# Altium PCB core.PcbDoc (part 1 of 4)
Units mil, origin at the board's own origin, x right, y up, seen from the top; angles counter-clockwise.
Board outline 2844.68 x 1781.68 mil, 4 copper layers (Top Layer 1, Signal Layer 1, Signal Layer 2, Bottom Layer 1), stack 23.756 mil thick; 133 components, 210 nets, 844 pads, 433 vias.
Unrouted connection lines stored in the file: 3.
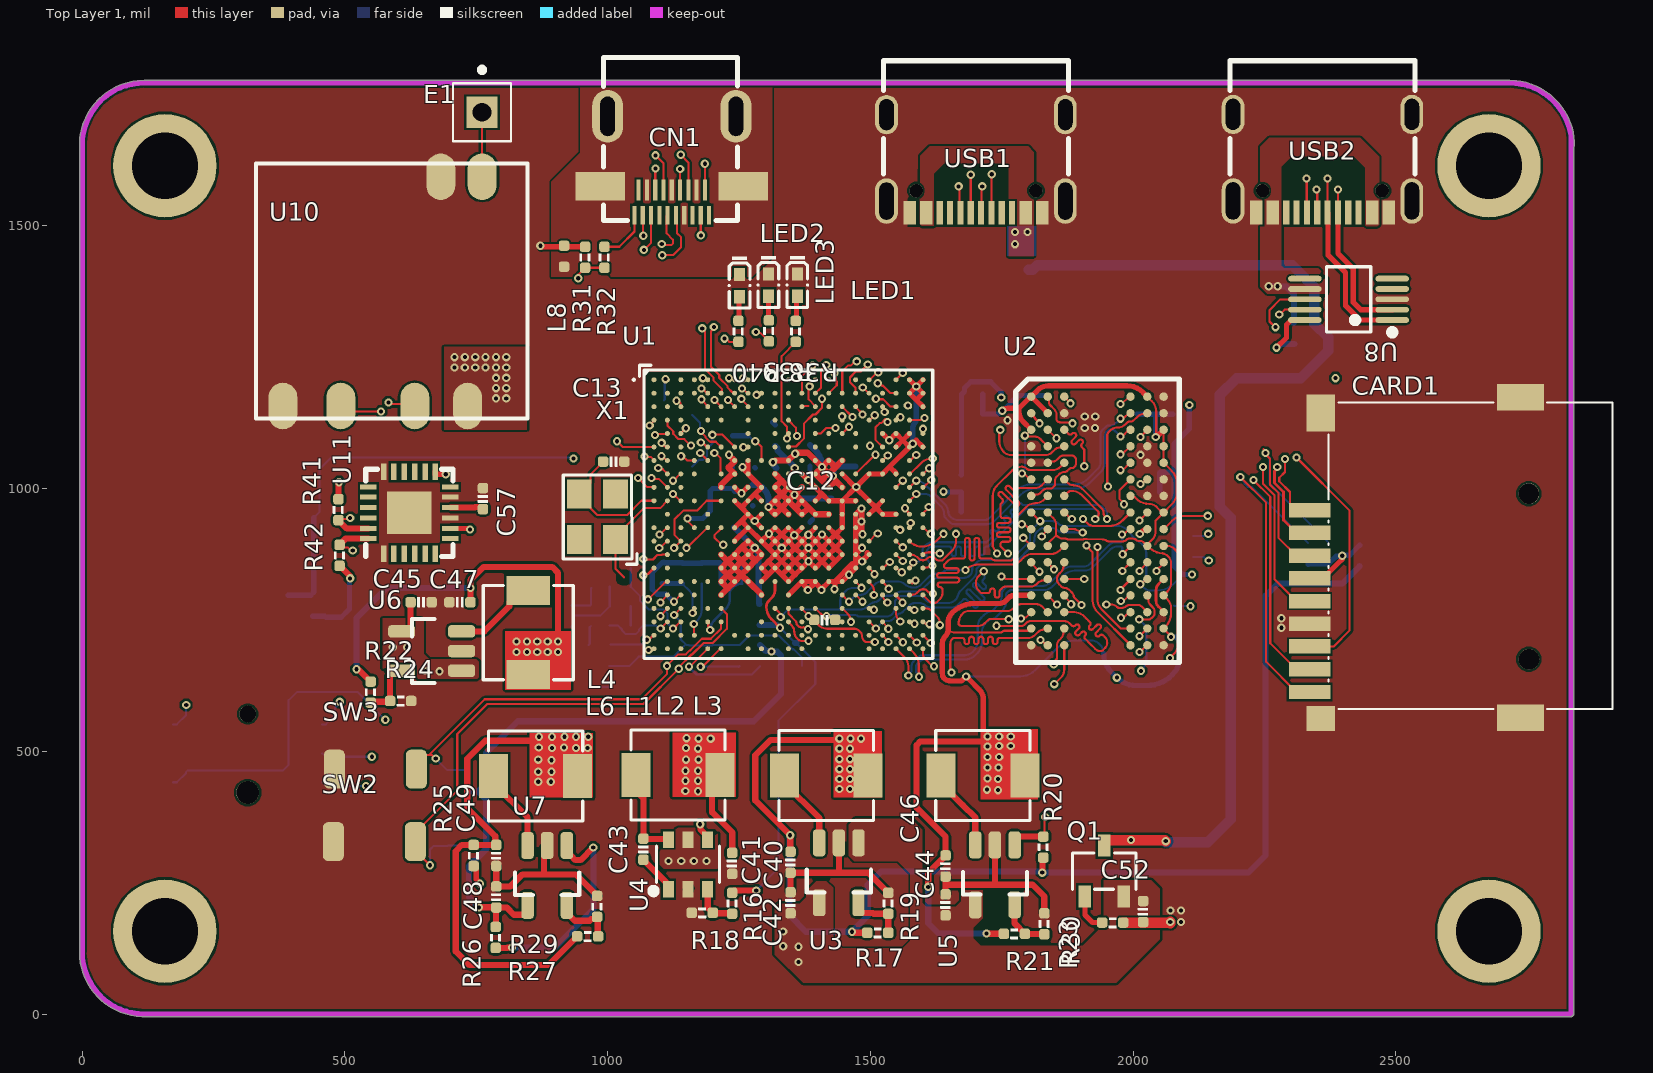
[diagram p0: Top Layer 1 view]
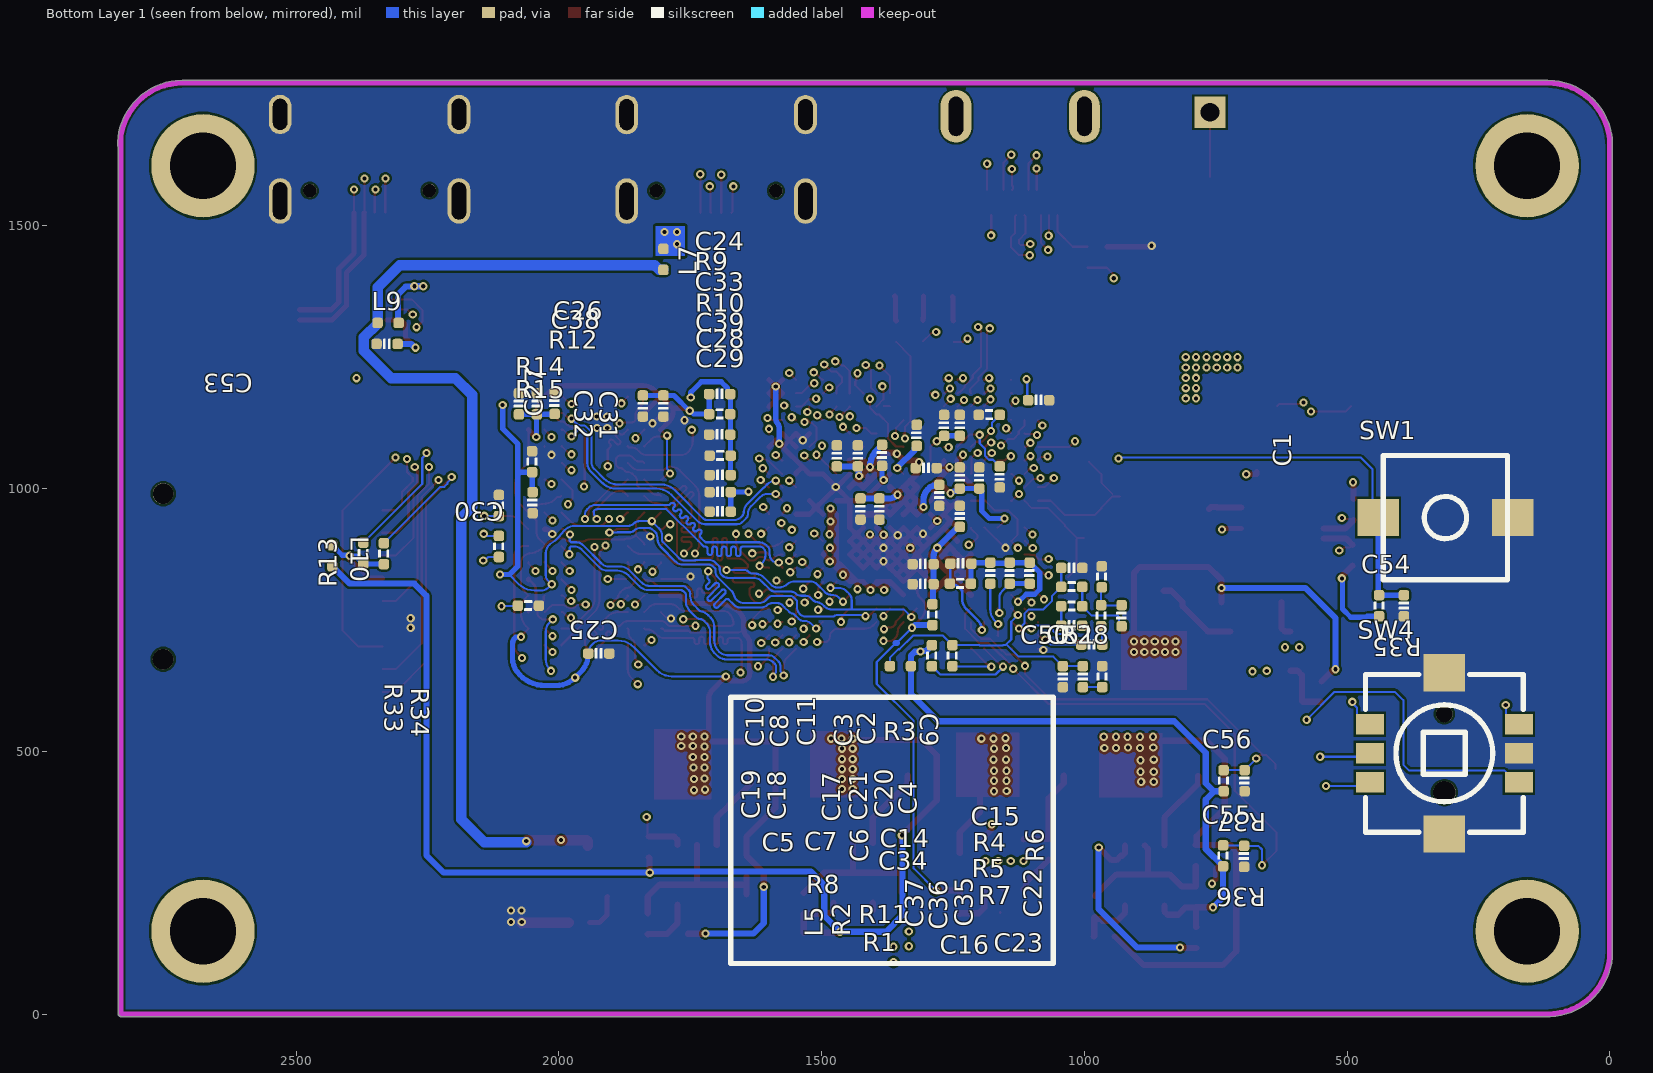
[diagram p1: Bottom Layer 1 view, seen from below]
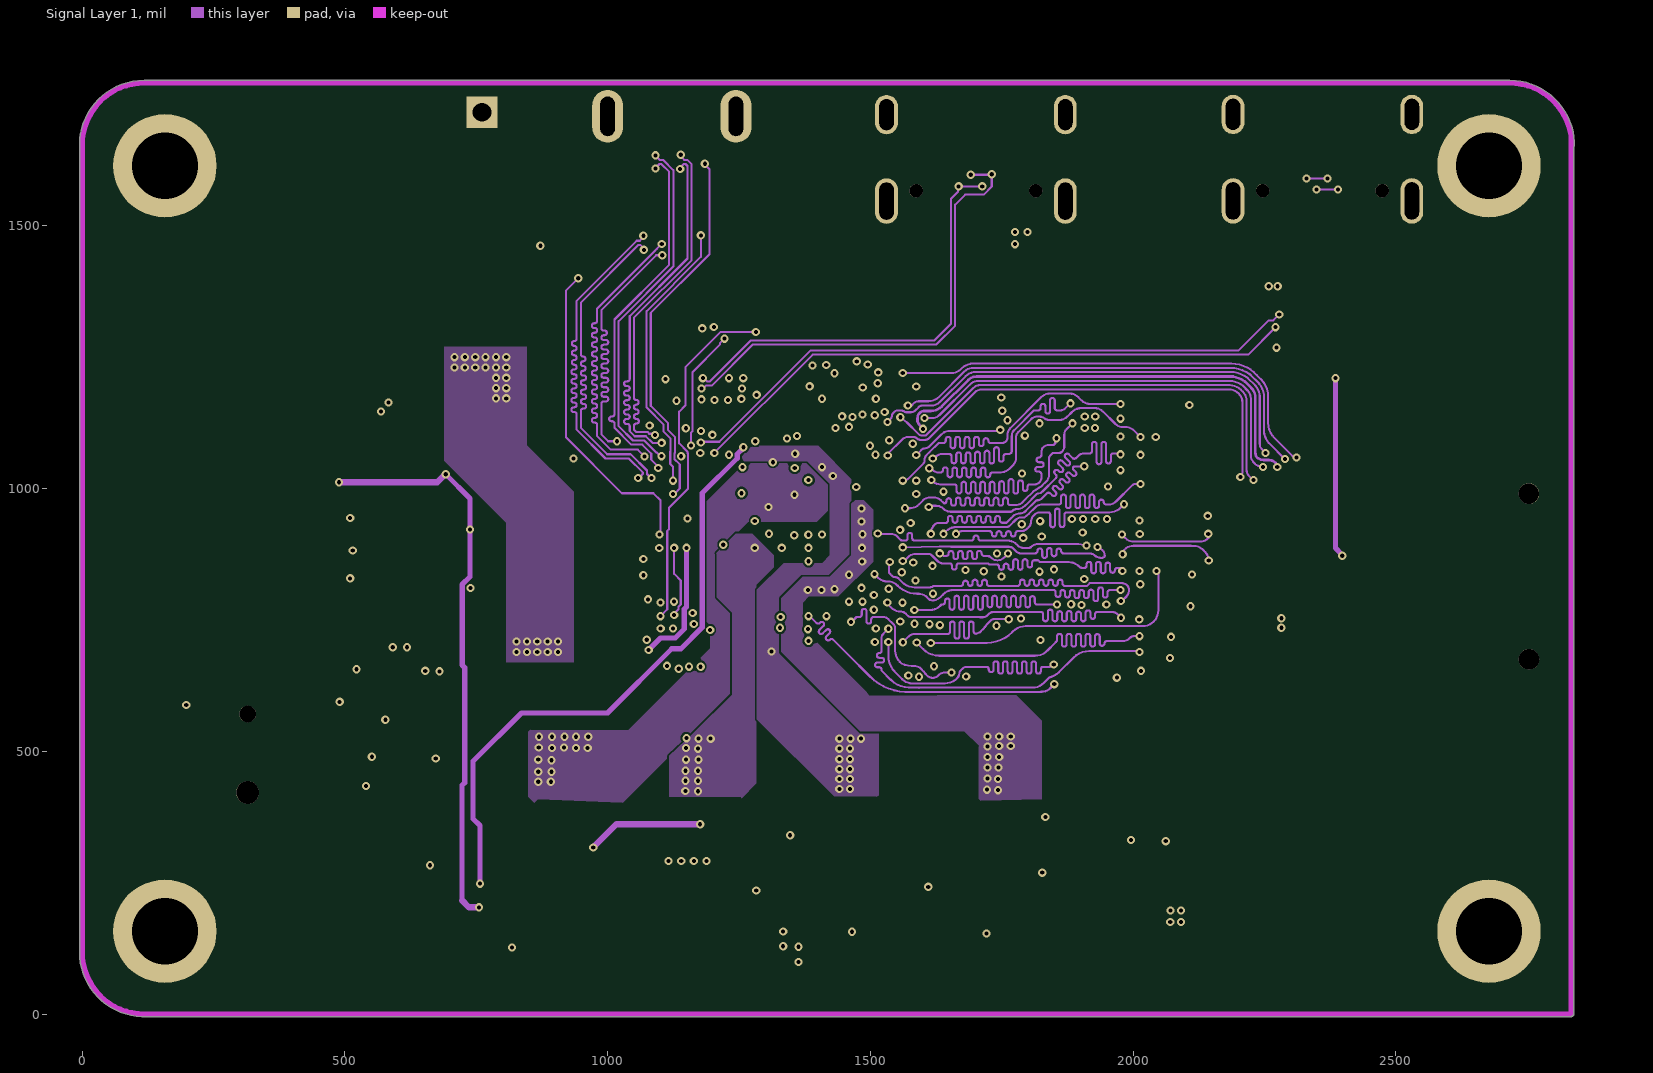
[diagram p2: Signal Layer 1]
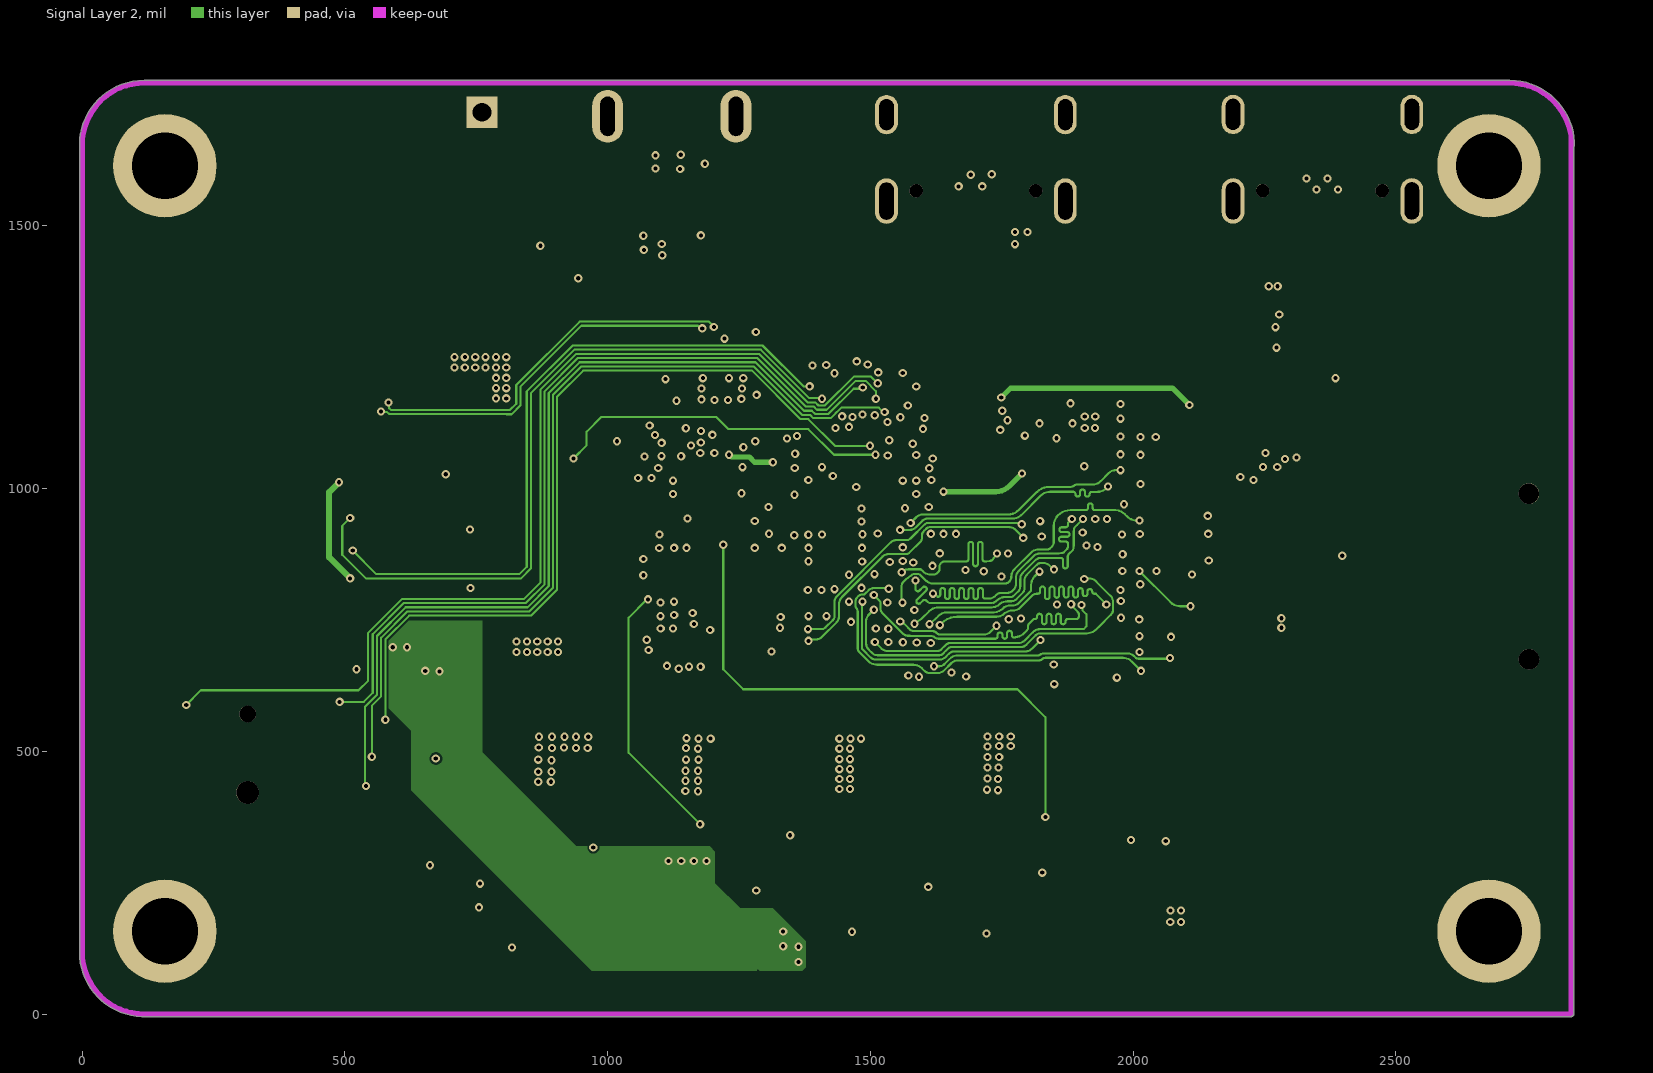
[diagram p3: Signal Layer 2]

## Layer stack, top to bottom
Top Solder: solder mask 0.4, Solder Resist, Dk 3.5
Top Layer 1: signal copper 1.378
Dielectric 2: prepreg 2.8, PP-006, Dk 4.1
Signal Layer 1: signal copper 1.4
Dielectric 1: dielectric 12.6, FR-4, Dk 4.8
Signal Layer 2: signal copper 1.4
Dielectric 3: prepreg 2.8, PP-006, Dk 4.1
Bottom Layer 1: signal copper 1.378
Bottom Solder: solder mask 0.4, Solder Resist, Dk 3.5

## Board outline
-5.02,118.11 ccw(c118.11,118.11) 113.79,-4.94 ccw(c118.11,118.11) 118.11,-5.02 ccw(c118.11,0) 118.96,-4.94 2832.88,-4.94 ccw(c2832.88,0.07) 2836.55,-3.35 ccw(c2833.8,0.85) 2838.81,0.85 2838.81,1650.75 ccw(c2834.65,1653.54) 2839.66,1653.54 ccw(c2716.56,1653.55) 2838.78,1668.27 ccw(c2716.54,1653.54) 2716.54,1776.67 ccw(c2716.53,1771.66) 2715.33,1776.52 119.32,1776.52 ccw(c118.11,1771.65) 118.11,1776.67 ccw(c118.11,1653.54) -5.02,1653.6 ccw(c-0.38,1653.55) -5.02,1653.54

## Design rules (kind name [scope] priority, off if disabled: settings)
Clearance [All] p1: gap=4 ignorepadtopadclearanceinfootprint=TRUE except(2: Arc-SMDPad; 3: Arc-THPad Arc-Via Track-Via)
Creepage [All] p1: checkdistance=1
DiffPairsRouting [All] p1: maxlimit=10 minlimit=4 mostfreqgap=4 toplayer_minwidth=4 toplayer_maxwidth=4 toplayer_prefwidth=4 midlayer1_minwidth=4 midlayer1_maxwidth=4 midlayer1_prefwidth=4 midlayer2_minwidth=4 midlayer2_maxwidth=4 midlayer2_prefwidth=4 bottomlayer_minwidth=4 bottomlayer_maxwidth=4 bottomlayer_prefwidth=4 maxuncoupledlength=500
Length HDMI_Length [InNetClass('HDMI')] p1 off: maxlimit=780 minlimit=770
Length DDR_DIF_LENGTH [InNetClass('DDR_DIF')] p2 off: maxlimit=700 minlimit=690
Length DDR_SDQ_Length [InNetClass('DDR_SDQ')] p3 off: maxlimit=700 minlimit=690
Length DDR_Length [InNetClass('DDR')] p4: maxlimit=700 minlimit=690
MinimumSolderMaskSliver [All] p1: minsoldermaskwidth=0
PlaneClearance [All] p1: clearance=10
PlaneConnect [All] p1: planeconnectstyle=Relief reliefexpansion=10 reliefentries=4 reliefconductorwidth=10 reliefairgap=5
PolygonConnect [All] p1: connectstyle=Direct reliefconductorwidth=5 reliefentries=4 polygonreliefangle="90 Angle" airgapwidth=5
RoutingCorners [All] p1: cornerstyle=Round minsetback=100 maxsetback=100
RoutingVias [All] p1: holewidth=7.87 width=15.75 viastyle="Through Hole" minholewidth=7.87 minwidth=15.75 maxholewidth=11.81 maxwidth=19.68
SilkToSolderMaskClearance [IsPad] p1: minsilkscreentomaskgap=0 clearancetoexposedcopper=TRUE
SolderMaskExpansion [All] p1: expansion=3 istentingtop=FALSE
Width [All] p1: maxlimit=20 minlimit=4 preferedwidth=4
24 further rules are at their usual default settings.

## Classes and differential pairs
net class DDR: SA0 SA1 SA2 SA3 SA4 SA5 SA6 SA7 SA8 SA9 SA10 SA11 SA12 SA13 SA14 SA15 SBA0 SBA1 SBA2 SDQ0 SDQ1 SDQ2 SDQ3 SDQ4 SDQ5 SDQ6 SDQ7 SDQ8 SDQ9 SDQ10 SDQ11 SDQ12 SDQ13 SDQ14 SDQ15
component class power: * R20 U7
component class peroherals: * D1 D2 D3 U9 U10 U11
component class core_pwr: * X1
component class core_app: *
component class conn: * U8 USB1 USB2
differential pair USB3D: +USB3D_P -USB3D_N
differential pair USB2D: +USB2D_P -USB2D_N
differential pair USB1D: +USB1D_P -USB1D_N
differential pair USB0D: +USB0D_P -USB0D_N
differential pair SDQS1: +SDQS1_P -SDQS1_N
differential pair SDQS0: +SDQS0_P -SDQS0_N
differential pair SCK: +SCK_P -SCK_N
differential pair HTXC: +HTXC_P -HTXC_N
differential pair HTX2: +HTX2_P -HTX2_N
differential pair HTX1: +HTX1_P -HTX1_N
differential pair HTX0: +HTX0_P -HTX0_N

## Components (designator, comment, footprint, x,y, rotation, side; value= is the part's Value field where it differs from the comment)
C1 "CAP-0402" C0402 1087,1168 r0 bottom value=0.1u
C2 "CAP-0402" C0402 1237,1120 r270 bottom value=0.1u
C3 "CAP-0402" C0402 1267,1120 r270 bottom value=0.1u
C4 "CAP-0402" C0402 1161,1022 r90 bottom value=0.1u
C5 "CAP-0402" C0402 1307,818 r0 bottom value=0.1u
C6 "CAP-0402" C0402 1237,947 r90 bottom value=0.1u
C7 "CAP-0402" C0402 1307,856 r0 bottom value=0.1u
C8 "CAP-0402" C0402 1431,1062 r90 bottom value=0.1u
C9 "CAP-0402" C0402 1301,1039 r180 bottom value=0.1u
C10 "CAP-0402" C0402 1471,1062 r90 bottom value=0.1u
C11 "CAP-0402" C0402 1385,1063 r270 bottom value=0.1u
C12 "CAP-0402" C0402 1413,750 r0 top value=0.1u
C13 "CAP-0402" C0402 1011.5,1051.18 r180 top value=0.1u
C14 "CAP-0402" C0402 1319,1101 r270 bottom value=0.1u
C15 "CAP-0402" C0402 1024,849 r180 bottom value=0.1u
C16 "CAP-0402" C0402 1024,739 r0 bottom value=0.1u
C17 "CAP-0402" C0402 1276,987 r270 bottom value=0.1u
C18 "CAP-0402" C0402 1390,961 r270 bottom value=0.1u
C19 "CAP-0402" C0402 1426,961 r270 bottom value=0.1u
C20 "CAP-0402" C0402 1200,1020 r90 bottom value=0.1u
C21 "CAP-0402" C0402 1237,1020 r90 bottom value=0.1u
C22 "CAP-0402" C0402 929,758 r90 bottom value=0.1u
C23 "CAP-0402" C0402 986,703 r0 bottom value=0.1u
C24 "CAP-0402" C0402 1694,1179.65 r0 bottom value=0.1u
C25 "CAP-0402" C0402 1924,686 r180 bottom value=10u
C26 "CAP-0402" C0402 2042,1161 r90 bottom value=1u
C27 "CAP-0402" C0402 2008,1162 r90 bottom value=0.1u
C28 "CAP-0402" C0402 1693,993 r0 bottom value=0.1u
C29 "CAP-0402" C0402 1693,956 r0 bottom value=0.1u
C30 "CAP-0402" C0402 2076,1161 r90 bottom value=0.1u
C31 "CAP-0402" C0402 1801,1157 r270 bottom value=0.1u
C32 "CAP-0402" C0402 1840,1157 r270 bottom value=0.1u
C33 "CAP-0402" C0402 1694,1102.65 r180 bottom value=0.1u
C34 "CAP-0402" C0402 1235,857 r0 bottom value=0.1u
C35 "CAP-0402" C0402 1104,839 r270 bottom value=0.1u
C36 "CAP-0402" C0402 1142,839 r270 bottom value=0.1u
C37 "CAP-0402" C0402 1179,839 r270 bottom value=0.1u
C38 "CAP-0402" C0402 2050,973 r90 bottom value=0.1u
C39 "CAP-0402" C0402 1693,1025.65 r180 bottom value=0.1u
C40 "CAP-0402" C0402 1348,288.65 r90 top value=0.1u
C41 "CAP-0402" C0402 1237,286.65 r90 top value=0.1u
C42 "CAP-0402" C0402 1348,211.65 r270 top value=0.1u
C43 "CAP-0402" C0402 1068,313.65 r90 top value=0.1u
C44 "CAP-0402" C0402 1643,207.65 r270 top value=0.1u
C45 "CAP-0402" C0402 645,783.65 r180 top value=0.1u
C46 "CAP-0402" C0402 1643,281.65 r90 top value=0.1u
C47 "CAP-0402" C0402 719,783.65 r0 top value=0.1u
C48 "CAP-0402" C0402 788,222.65 r270 top value=0.1u
C49 "CAP-0402" C0402 788,301.65 r90 top value=0.1u
C50 "CAP-0402" C0402 1041,642 r90 bottom value=0.1u
C51 "CAP-0402" C0402 1003,642 r90 bottom value=0.1u
C52 "CAP-0402" C0402 2019,195 r90 top value=0.1u
C53 "CAP-0402" C0402 2327,1275 r180 bottom value=0.1u
C54 "CAP-0402" C0402 392,777 r90 bottom value=0.1u
C55 "CAP-0402" C0402 696,300 r90 bottom value=0.1u
C56 "CAP-0402" C0402 695,444 r90 bottom value=0.1u
C57 "CAP-0402" C0402 762.78,980.81 r90 top value=0.1u
CARD1 "TF-015" TF-SMD_TF-015 2536.4,867.97 r90 top
CN1 "HYC22-HDMID19-890" HDMI-SMD_HYC22-HDMID19-890 1122.05,1614.17 r180 top
E1 "Antenna" PIN1 761,1716 r0 top
L1 "2.2uH" IND-SMD_L4.4-W4.2 1134,455 r0 top
L2 "2.2uH" IND-SMD_L4.4-W4.2 1416,453.65 r180 top
L3 "2.2uH" IND-SMD_L4.4-W4.2 1714,453.65 r180 top
L4 "2.2uH" IND-SMD_L4.4-W4.2 849,725.65 r90 top
L5 "1500R" L0402 1350,662 r0 bottom
L6 "2.2uH" IND-SMD_L4.4-W4.2 863,452.65 r180 top
L7 "IND_0402" L0402 1801,1436 r90 bottom
L8 "IND_0402" L0402 917,1442 r90 top
L9 "IND_0402" L0402 2325,1315 r180 bottom
L10 "IND_0402" L0402 2431,872 r270 bottom
LED1 "TJ-S1005CL4T5ALC6B-A5" LED0402-RD 1361,1387.19 r270 top
LED2 "TJ-S1005CL4T5ALC6B-A5" LED0402-RD 1306,1387.19 r270 top
LED3 "TJ-S1005CL4T5ALC6B-A5" LED0402-RD 1251,1386.19 r270 top
Q1 "AO3423" SOT-23-3_L2.9-W1.6-P1.90-LS2.8-BR 1945,272 r270 top
R1 "RES-0402" R0402 1251,682 r270 bottom value=22R
R2 "RES-0402" R0402 1290,682 r270 bottom value=22R
R3 "RES-0402" R0402 1181,1140 r180 bottom value=22R
R4 "RES-0402" R0402 1024,813 r0 bottom value=22R
R5 "RES-0402" R0402 1024,776 r180 bottom value=22R
R6 "RES-0402" R0402 967,832 r90 bottom value=22R
R7 "RES-0402" R0402 968,758 r270 bottom value=22R
R8 "RES-0402" R0402 1289,760 r90 bottom value=22R
R9 "RES-0402" R0402 1694,1141.65 r180 bottom value=2k
R10 "RES-0402" R0402 1693,1062.65 r0 bottom value=2k
R11 "RES-0402" R0402 1236,819 r0 bottom value=22R
R12 "RES-0402" R0402 2051,1051 r90 bottom value=240R
R13 "RES-0402" R0402 2058,777 r0 bottom value=240R
R14 "RES-0402" R0402 2114,967.65 r270 bottom value=240R
R15 "RES-0402" R0402 2114,889.65 r270 bottom value=100R
R16 "RES-0402" R0402 1237,210.65 r90 top value=22R
R17 "RES-0402" R0402 1514,154.65 r180 top value=22R
R18 "RES-0402" R0402 1180,192.65 r0 top value=22R
R19 "RES-0402" R0402 1534,210.65 r270 top value=22R
R20 "RES-0402" R0402 1829,317.65 r270 top value=22k
R21 "RES-0402" R0402 1774,152.65 r180 top value=22R
R22 "RES-0402" R0402 549,612.65 r90 top value=22R
R23 "RES-0402" R0402 1831,171.65 r270 top value=22R
R24 "RES-0402" R0402 606,595.65 r180 top value=22R
R25 "RES-0402" R0402 745,301.65 r90 top value=22R
R26 "RES-0402" R0402 787,145.65 r90 top value=22k
R27 "RES-0402" R0402 962,147.65 r180 top value=22R
R28 "RES-0402" R0402 966,642 r90 bottom value=22R
R29 "RES-0402" R0402 980,204.65 r270 top value=22R
R30 "RES-0402" R0402 1961,174 r180 top value=22R
R31 "RES-0402" R0402 957,1440 r270 top value=27k
R32 "RES-0402" R0402 994,1440 r270 top value=20k
R33 "RES-0402" R0402 2372,877 r90 bottom value=47k
R34 "RES-0402" R0402 2333,876 r90 bottom value=47k
R35 "RES-0402" R0402 439,777 r270 bottom value=10k
R36 "RES-0402" R0402 736,301 r270 bottom value=10k
R37 "RES-0402" R0402 735,444 r270 bottom value=10k
R38 "RES-0402" R0402 1358,1299 r270 top value=10k
R39 "RES-0402" R0402 1307,1300 r270 top value=10k
R40 "RES-0402" R0402 1249,1299 r270 top value=10k
R41 "RES-0402" R0402 487.78,959.81 r270 top value=10k
R42 "RES-0402" R0402 489.78,872.81 r90 top value=10k
SW1 "TS-1199A-C-B" KEY-SMD_2P-L6.0-W6.0-P6.50 313,944.65 r180 bottom
SW2 "TS-1071AD-A1B3-D4" BUTTONTACT_3X4X2_180 556,328 r180 top
SW3 "TS-1071AD-A1B3-D4" BUTTONTACT_3X4X2_180 558,466 r180 top
SW4 "TSX073G50D-250" SW-SMD_TSX073G50D1-250 314.96,496.07 r180 bottom
U1 "ALLWINNER H3" BGA-347_L14.0-W14.0-R21-C21-P0.65-TL 1344.05,951.01 r0 top
U2 "K4B4G1646E-BCNB" FBGA-96_L13.5-W7.5-R16-C6-P0.80-TL 1932,938.65 r270 top
U3 "SY8089A1AAC" SOT-23-5_L3.0-W1.7-P0.95-LS2.8-BL 1440,266.6 r270 top
U4 "SY8113ADC" TSOT-23-6_L2.9-W1.6-P0.95-LS2.8-BR 1153,284.65 r270 top
U5 "SY8089A1AAC" SOT-23-5_L3.0-W1.7-P0.95-LS2.8-BL 1737,262.65 r270 top
U6 "SY8089A1AAC" SOT-23-5_L3.0-W1.7-P0.95-LS2.8-BL 662.94,690.66 r180 top
U7 "SY8089A1AAC" SOT-23-5_L3.0-W1.7-P0.95-LS2.8-BL 885,261.65 r270 top
U8 "CH340E" MSOP-10_L3.0-W3.0-P0.50-LS5.0-BL 2409.93,1360 r90 top
U10 "RTL8188EUS" USB-WIFI-ANT 592,1374 r90 top
U11 "MPU6050" QFN50P400X400X95-25T265X275N 622.78,953.84 r0 top
USB1 "TYPEC-307DSW-ACP16" USB-C-SMD_TYPEC-307DSW-ACP16 1700.79,1618.11 r180 top
USB2 "TYPEC-307DSW-ACP16" USB-C-SMD_TYPEC-307DSW-ACP16 2360.24,1618.41 r180 top
X1 "24MHz" OSC-SMD_4P-L3.2-W2.5-BL 980.56,945.96 r90 top

## Footprints (in the part's own frame and the unit in brackets; to place one, negate y for a bottom-side part, rotate by r counter-clockwise, add the part's x,y. Pads: shape width x height; smd on the part's side, far side on the other; paste and mask are expansions set on the pad)
BGA-347_L14.0-W14.0-R21-C21-P0.65-TL [mm]
  round 0.24 smd: A1(-6.5,6.5) A2(-5.85,6.5) A3(-5.2,6.5) A4(-4.55,6.5) A5(-3.9,6.5) A7(-2.6,6.5) A8(-1.95,6.5) A10(-0.65,6.5) A11(0,6.5) A13(1.3,6.5) A14(1.95,6.5) A16(3.25,6.5) A17(3.9,6.5) A19(5.2,6.5) A20(5.85,6.5) A21(6.5,6.5) AA1(-6.5,-6.5) AA2(-5.85,-6.5) AA3(-5.2,-6.5) AA5(-3.9,-6.5) AA6(-3.25,-6.5) AA8(-1.95,-6.5) AA9(-1.3,-6.5) AA11(0,-6.5) AA12(0.65,-6.5) AA14(1.95,-6.5) AA15(2.6,-6.5) AA17(3.9,-6.5) AA18(4.55,-6.5) AA19(5.2,-6.5) AA20(5.85,-6.5) AA21(6.5,-6.5) B1(-6.5,5.85) B2(-5.85,5.85) B3(-5.2,5.85) B4(-4.55,5.85) B5(-3.9,5.85) B6(-3.25,5.85) B7(-2.6,5.85) B8(-1.95,5.85) B9(-1.3,5.85) B10(-0.65,5.85) B11(0,5.85) B12(0.65,5.85) B13(1.3,5.85) B14(1.95,5.85) B15(2.6,5.85) B16(3.25,5.85) B17(3.9,5.85) B18(4.55,5.85) B19(5.2,5.85) B20(5.85,5.85) B21(6.5,5.85) C1(-6.5,5.2) C2(-5.85,5.2) C3(-5.2,5.2) C5(-3.9,5.2) C6(-3.25,5.2) C7(-2.6,5.2) C8(-1.95,5.2) C9(-1.3,5.2) C10(-0.65,5.2) C11(0,5.2) C12(0.65,5.2) C13(1.3,5.2) C14(1.95,5.2) C15(2.6,5.2) C16(3.25,5.2) C17(3.9,5.2) C18(4.55,5.2) C19(5.2,5.2) C20(5.85,5.2) C21(6.5,5.2) D1(-6.5,4.55) D2(-5.85,4.55) D3(-5.2,4.55) D5(-3.9,4.55) D6(-3.25,4.55) D8(-1.95,4.55) D10(-0.65,4.55) D11(0,4.55) D13(1.3,4.55) D15(2.6,4.55) D17(3.9,4.55) D19(5.2,4.55) D20(5.85,4.55) E2(-5.85,3.9) E3(-5.2,3.9) E8(-1.95,3.9) E10(-0.65,3.9) E11(0,3.9) E13(1.3,3.9) E14(1.95,3.9) E15(2.6,3.9) E16(3.25,3.9) E18(4.55,3.9) E19(5.2,3.9) E20(5.85,3.9) E21(6.5,3.9) F1(-6.5,3.25) F2(-5.85,3.25) F3(-5.2,3.25) F5(-3.9,3.25) F6(-3.25,3.25) F7(-2.6,3.25) F8(-1.95,3.25) F10(-0.65,3.25) F11(0,3.25) F13(1.3,3.25) F14(1.95,3.25) F16(3.25,3.25) F17(3.9,3.25) F18(4.55,3.25) F19(5.2,3.25) F20(5.85,3.25) F21(6.5,3.25) G1(-6.5,2.6) G2(-5.85,2.6) G4(-4.55,2.6) G5(-3.9,2.6) G7(-2.6,2.6) G8(-1.95,2.6) G9(-1.3,2.6) G10(-0.65,2.6) G11(0,2.6) G12(0.65,2.6) G13(1.3,2.6) G14(1.95,2.6) G15(2.6,2.6) G18(4.55,2.6) G20(5.85,2.6) H2(-5.85,1.95) H3(-5.2,1.95) H4(-4.55,1.95) H6(-3.25,1.95) H7(-2.6,1.95) H8(-1.95,1.95) H10(-0.65,1.95) H11(0,1.95) H12(0.65,1.95) H13(1.3,1.95) H14(1.95,1.95) H15(2.6,1.95) H16(3.25,1.95) H17(3.9,1.95) H18(4.55,1.95) H19(5.2,1.95) H20(5.85,1.95) H21(6.5,1.95) J1(-6.5,1.3) J2(-5.85,1.3) J3(-5.2,1.3) J6(-3.25,1.3) J7(-2.6,1.3) J8(-1.95,1.3) J9(-1.3,1.3) J10(-0.65,1.3) J11(0,1.3) J12(0.65,1.3) J13(1.3,1.3) J14(1.95,1.3) J15(2.6,1.3) J16(3.25,1.3) J19(5.2,1.3) J20(5.85,1.3) J21(6.5,1.3) K1(-6.5,0.65) K2(-5.85,0.65) K3(-5.2,0.65) K4(-4.55,0.65) K6(-3.25,0.65) K7(-2.6,0.65) K8(-1.95,0.65) K9(-1.3,0.65) K10(-0.65,0.65) K11(0,0.65) K12(0.65,0.65) K13(1.3,0.65) K14(1.95,0.65) K15(2.6,0.65) K16(3.25,0.65) K17(3.9,0.65) K18(4.55,0.65) K20(5.85,0.65) L2(-5.85,0) L5(-3.9,0) L8(-1.95,0) L9(-1.3,0) L10(-0.65,0) L11(0,0) L12(0.65,0) L13(1.3,0) L14(1.95,0) L15(2.6,0) L16(3.25,0) L17(3.9,0) L18(4.55,0) L19(5.2,0) L20(5.85,0) L21(6.5,0) M1(-6.5,-0.65) M2(-5.85,-0.65) M3(-5.2,-0.65) M4(-4.55,-0.65) M5(-3.9,-0.65) M6(-3.25,-0.65) M7(-2.6,-0.65) M8(-1.95,-0.65) M9(-1.3,-0.65) M10(-0.65,-0.65) M11(0,-0.65) M12(0.65,-0.65) M13(1.3,-0.65) M14(1.95,-0.65) M15(2.6,-0.65) M16(3.25,-0.65) M19(5.2,-0.65) M20(5.85,-0.65) M21(6.5,-0.65) N1(-6.5,-1.3) N2(-5.85,-1.3) N3(-5.2,-1.3) N7(-2.6,-1.3) N8(-1.95,-1.3) N9(-1.3,-1.3) N10(-0.65,-1.3) N11(0,-1.3) N12(0.65,-1.3) N13(1.3,-1.3) N14(1.95,-1.3) N15(2.6,-1.3) N16(3.25,-1.3) N17(3.9,-1.3) N19(5.2,-1.3) N20(5.85,-1.3) P2(-5.85,-1.95) P3(-5.2,-1.95) P6(-3.25,-1.95) P7(-2.6,-1.95) P8(-1.95,-1.95) P9(-1.3,-1.95) P10(-0.65,-1.95) P11(0,-1.95) P12(0.65,-1.95) P13(1.3,-1.95) P14(1.95,-1.95) P15(2.6,-1.95) P16(3.25,-1.95) P17(3.9,-1.95) P19(5.2,-1.95) P20(5.85,-1.95) P21(6.5,-1.95) R1(-6.5,-2.6) R2(-5.85,-2.6) R6(-3.25,-2.6) R7(-2.6,-2.6) R8(-1.95,-2.6) R9(-1.3,-2.6) R10(-0.65,-2.6) R11(0,-2.6) R12(0.65,-2.6) R13(1.3,-2.6) R14(1.95,-2.6) R16(3.25,-2.6) R17(3.9,-2.6) R18(4.55,-2.6) R19(5.2,-2.6) R20(5.85,-2.6) R21(6.5,-2.6) T2(-5.85,-3.25) T3(-5.2,-3.25) T4(-4.55,-3.25) T5(-3.9,-3.25) T6(-3.25,-3.25) T7(-2.6,-3.25) T8(-1.95,-3.25) T9(-1.3,-3.25) T10(-0.65,-3.25) T11(0,-3.25) T12(0.65,-3.25) T13(1.3,-3.25) T14(1.95,-3.25) T15(2.6,-3.25) T16(3.25,-3.25) T17(3.9,-3.25) T18(4.55,-3.25) T20(5.85,-3.25) U2(-5.85,-3.9) U3(-5.2,-3.9) U4(-4.55,-3.9) U6(-3.25,-3.9) U9(-1.3,-3.9) U11(0,-3.9) U15(2.6,-3.9) U16(3.25,-3.9) U18(4.55,-3.9) U19(5.2,-3.9) U20(5.85,-3.9) U21(6.5,-3.9) V1(-6.5,-4.55) V2(-5.85,-4.55) V3(-5.2,-4.55) V4(-4.55,-4.55) V5(-3.9,-4.55) V6(-3.25,-4.55) V10(-0.65,-4.55) V11(0,-4.55) V12(0.65,-4.55) V13(1.3,-4.55) V15(2.6,-4.55) V17(3.9,-4.55) V19(5.2,-4.55) V20(5.85,-4.55) V21(6.5,-4.55) W1(-6.5,-5.2) W2(-5.85,-5.2) W3(-5.2,-5.2) W5(-3.9,-5.2) W6(-3.25,-5.2) W9(-1.3,-5.2) W11(0,-5.2) W12(0.65,-5.2) W13(1.3,-5.2) W15(2.6,-5.2) W17(3.9,-5.2) W18(4.55,-5.2) W20(5.85,-5.2) W21(6.5,-5.2) Y1(-6.5,-5.85) Y2(-5.85,-5.85) Y3(-5.2,-5.85) Y4(-4.55,-5.85) Y7(-2.6,-5.85) Y8(-1.95,-5.85) Y9(-1.3,-5.85) Y10(-0.65,-5.85) Y11(0,-5.85) Y12(0.65,-5.85) Y13(1.3,-5.85) Y14(1.95,-5.85) Y15(2.6,-5.85) Y16(3.25,-5.85) Y17(3.9,-5.85) Y18(4.55,-5.85) Y19(5.2,-5.85) Y20(5.85,-5.85) Y21(6.5,-5.85)